# Altium PCB RTM_SFP.PcbDoc (part 12 of 17) (continued)
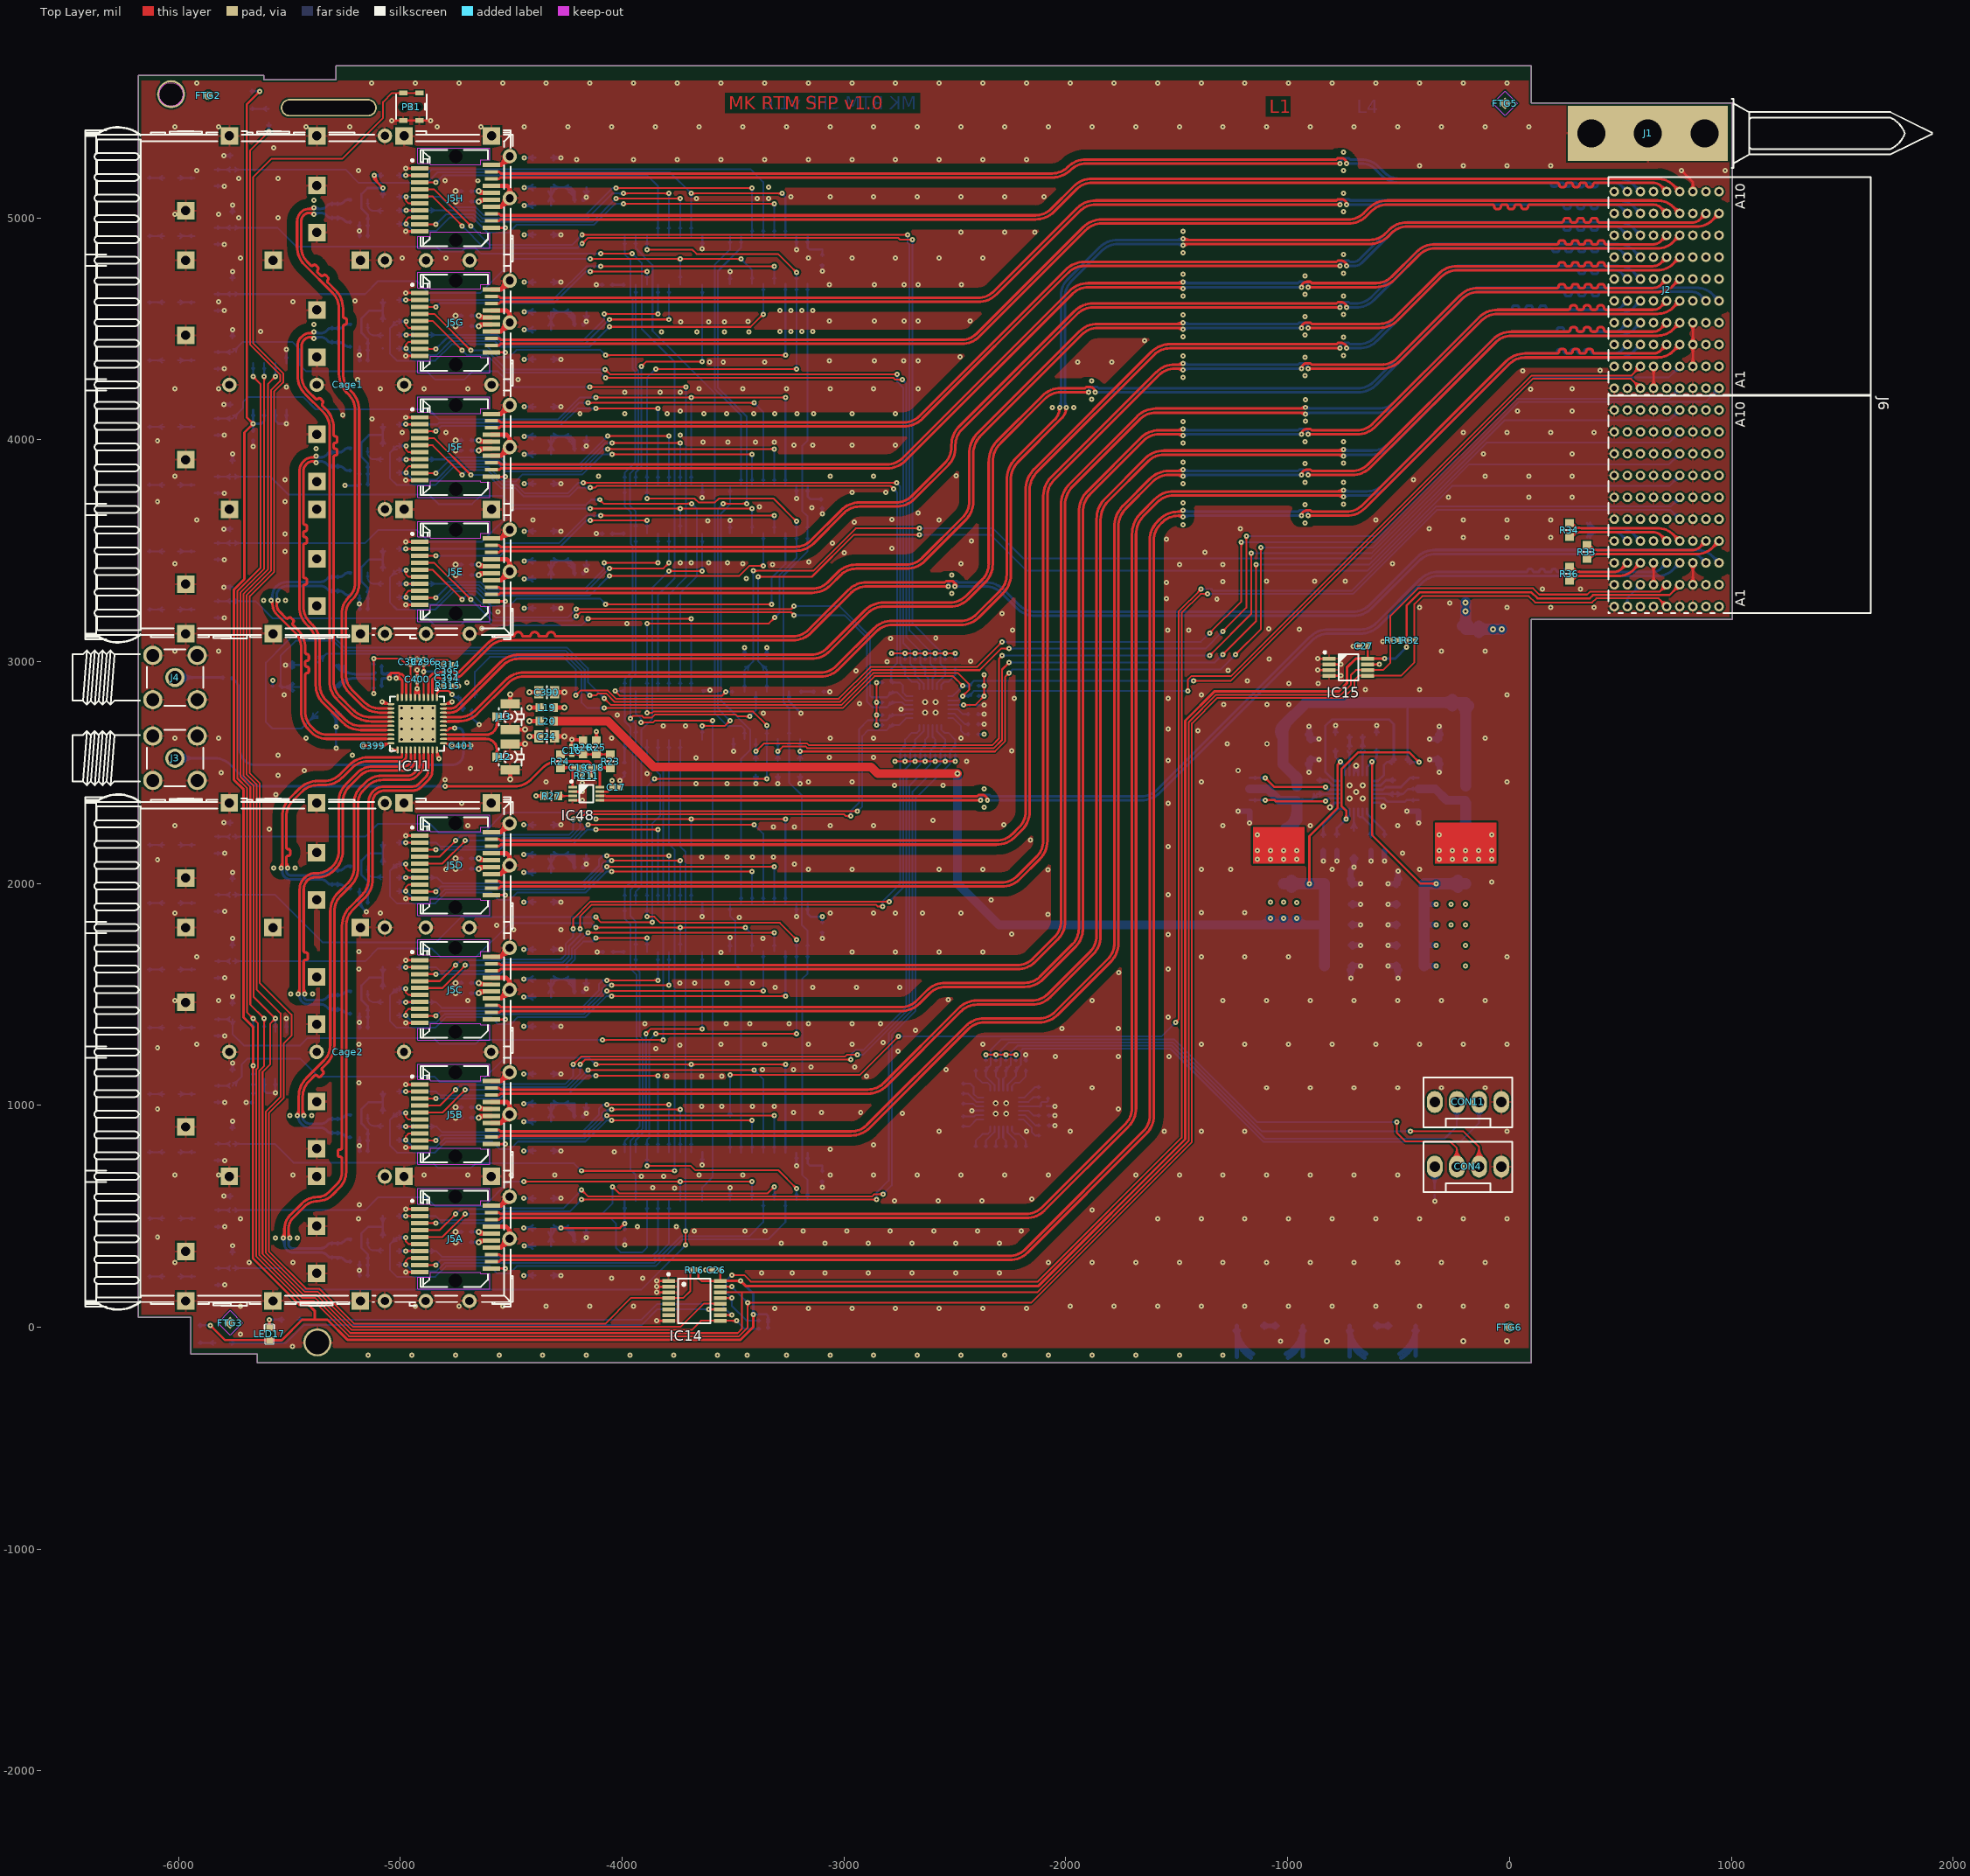
[diagram p0: Top Layer view]
## Nets (pads, with @x,y where several pads share a name; then routed paths per layer and width w, separated by ;. In a path a pad name is that pad's centre, name@x,y a point inside that pad or via, vN(x,y) a via of type N, cw(c..) or ccw(c..) an arc to the next point about the centre after c; other vN are vias at no path point) (continued)
SFP_CLK1.CLOCK_P: IC11.12 IC20H.3 R105H.1 | length 2999.7
  Top Layer w10: -5064.25,2788.13 -5063.41,2788.98 IC11.12@-5042.52,2788.98
  Top Layer w12: -5433.86,5013.52 -5436.32,5011.06 ccw(c-5408.72,4983.46) -5447.75,4983.46 -5447.75,4870.64 ccw(c-5347.75,4870.64) -5418.46,4799.93 -5404.75,4786.22 ccw(c-5399.04,4791.93) -5393.34,4786.22 cw(c-5387.35,4780.24) -5381.37,4786.22 -5372.6,4777.45 cw(c-5378.58,4771.47) -5372.6,4765.48 ccw(c-5366.89,4759.78) -5372.6,4754.07 -5359.26,4740.74 ccw(c-5353.56,4746.44) -5347.85,4740.74 cw(c-5341.87,4734.75) -5335.88,4740.74 -5327.11,4731.97 cw(c-5333.1,4725.98) -5327.11,4720 ccw(c-5321.41,4714.29) -5327.11,4708.58 -5293.16,4674.64 cw(c-5376.46,4591.34) -5258.66,4591.34 -5258.66,4556.1 ccw(c-5250.59,4556.1) -5250.59,4548.03 cw(c-5250.59,4539.56) -5242.13,4539.56 -5242.13,4527.16 cw(c-5250.59,4527.16) -5250.59,4518.7 ccw(c-5250.59,4510.63) -5258.66,4510.63 -5258.66,4296.4 ccw(c-5158.66,4296.4) -5229.37,4225.69 -5219.54,4215.86 cw(c-5300.66,4134.74) -5185.94,4134.74 -5185.94,3350.8 cw(c-5283.17,3350.8) -5214.42,3282.04 -5221.03,3275.42 ccw(c-5159.39,3213.78) -5246.57,3213.78 -5246.57,2942.52 ccw(c-5146.57,2942.52) -5217.28,2871.81 -5162.9,2817.42 ccw(c-5092.18,2888.13) -5092.18,2788.13 -5064.25,2788.13 ; -5433.84,5013.54 cw(c-5412.19,4991.85) -5412.19,5022.5 ; v1(-5390.16,5016.69) -5395.97,5022.5 -5412.19,5022.5 ; -5412.19,5022.5 cw(c-5412.19,5001.61) v1@-5394.95,5013.4 ; -5412.19,5022.5 cw(c-5412.19,5001.61) v1@-5394.95,5013.4 ; -5412.19,5022.5 cw(c-5412.19,5001.61) v1@-5394.95,5013.4
  Bottom Layer w12: v1(-5390.16,5016.69) -5384.35,5022.5 -5358.96,5022.5 cw(c-5358.96,4985.86) -5333.06,5011.78 -5325.73,5004.45 ccw(c-5315,5015.18) -5315,5000 ; R105H.1@-5308.02,4995.39 ccw(c-5315,4992.41) -5315,5000 ; R105H.1@-5308.02,5004.61 cw(c-5315,5007.59) -5315,5000 ; R105H.1@-5284.18,4992.66 cw(c-5272.48,4983.25) -5268.59,4997.75 ; R105H.1@-5283.16,5005.86 ccw(c-5271.16,5012.79) -5274.75,4999.4 ; IC20H.3@-5226.16,4976.65 ccw(c-5233.86,4970.41) -5233.86,4980.32 ; IC20H.3@-5226.16,4983.98 cw(c-5233.86,4990.23) -5233.86,4980.32 ; IC20H.3@-5221.65,4980.32 -5233.86,4980.32 ; v1@-5386.29,5021.02 ccw(c-5379.08,5029.09) -5373.67,5019.72 ; v1@-5386.29,5021.02 ccw(c-5379.08,5029.09) -5373.67,5019.72 ; v1@-5386.29,5021.02 ccw(c-5379.08,5029.09) -5373.67,5019.72 ; v1@-5386.05,5012.58 cw(c-5362.1,4988.63) -5362.1,5022.5 ; v1@-5386.05,5012.58 cw(c-5362.1,4988.63) -5362.1,5022.5 ; v1@-5386.05,5012.58 cw(c-5362.1,4988.63) -5362.1,5022.5 ; -5315,5000 -5276.98,5000 cw(c-5276.98,4969.08) -5255.12,4990.94 -5252,4987.83 ccw(c-5233.86,5005.98) -5233.86,4980.32
SFP_CLK2.CLOCK_N: IC11.15 IC20G.4 R105G.2 | length 2452.4
  Top Layer w10: -5064.2,2730.71 -5063.41,2729.92 IC11.15@-5042.52,2729.92
  Top Layer w12: v1(-5390.16,4485.68) -5395.97,4479.87 -5409.84,4479.87 ; -5285.15,2828.59 cw(c-5202.7,2911.03) -5319.29,2911.03 -5319.29,4054.25 ccw(c-5419.29,4054.25) -5348.58,4124.96 -5429.3,4205.68 cw(c-5346.32,4288.65) -5463.67,4288.65 -5463.67,4425.97 cw(c-5416.17,4425.97) -5449.76,4459.56 -5443.31,4466 cw(c-5409.84,4432.53) -5409.84,4479.87 ; -5285.14,2828.58 -5226.26,2769.7 ccw(c-5132.13,2863.83) -5132.13,2730.71 -5064.2,2730.71 ; -5409.84,4479.87 ccw(c-5409.84,4496.54) v1@-5395.25,4488.48 ; -5409.84,4479.87 ccw(c-5409.84,4496.54) v1@-5395.25,4488.48 ; -5409.84,4479.87 ccw(c-5409.84,4496.54) v1@-5395.25,4488.48
  Bottom Layer w12: v1(-5390.16,4485.68) -5384.35,4479.87 -5359.18,4479.87 ccw(c-5359.18,4517.06) -5332.89,4490.76 -5325.71,4497.93 cw(c-5315,4487.22) -5315,4502.36 ; R105G.2@-5308.02,4497.75 ccw(c-5315,4494.77) -5315,4502.36 ; R105G.2@-5308.02,4506.97 cw(c-5315,4509.96) -5315,4502.36 ; R105G.2@-5282.66,4497.47 cw(c-5275.03,4493.96) -5275.03,4502.36 ; R105G.2@-5282.66,4507.25 ccw(c-5275.03,4510.76) -5275.03,4502.36 ; -5252.28,4514.25 -5256.5,4510.04 cw(c-5275.03,4528.57) -5275.03,4502.36 ; -5252.26,4514.27 cw(c-5233.46,4495.44) -5233.46,4522.05 IC20G.4@-5221.65,4522.05 ; -5241.66,4519.85 cw(c-5236.24,4499.64) IC20G.4@-5224.82,4517.18 ; v1@-5386.29,4481.34 cw(c-5379.08,4473.27) -5373.67,4482.64 ; v1@-5386.29,4481.34 cw(c-5379.08,4473.27) -5373.67,4482.64 ; v1@-5386.29,4481.34 cw(c-5379.08,4473.27) -5373.67,4482.64 ; v1@-5386.05,4489.79 ccw(c-5362.1,4513.73) -5362.1,4479.87 ; v1@-5386.05,4489.79 ccw(c-5362.1,4513.73) -5362.1,4479.87 ; v1@-5386.05,4489.79 ccw(c-5362.1,4513.73) -5362.1,4479.87 ; -5315,4502.36 -5275.03,4502.36
SFP_CLK2.CLOCK_P: IC11.14 IC20G.3 R105G.1 | length 2452.9
  Top Layer w10: -5064.2,2748.82 -5063.41,2749.61 IC11.14@-5042.52,2749.61
  Top Layer w12: v1(-5390.16,4456.06) -5395.97,4461.87 -5407.44,4461.87 ; -5064.2,2748.82 -5131.04,2748.82 cw(c-5131.04,2866.82) -5214.48,2783.37 -5272,2840.9 cw(c-5201.29,2911.61) -5301.29,2911.61 -5301.29,3921.65 cw(c-5293.22,3921.65) -5293.22,3929.72 ccw(c-5293.22,3938.19) -5284.76,3938.19 -5284.76,3950.59 ccw(c-5293.22,3950.59) -5293.22,3959.05 cw(c-5293.22,3967.12) -5301.29,3967.12 -5301.29,3977.84 cw(c-5293.22,3977.84) -5293.22,3985.91 ccw(c-5293.22,3994.38) -5284.76,3994.38 -5284.76,4006.78 ccw(c-5293.22,4006.78) -5293.22,4015.24 cw(c-5293.22,4023.31) -5301.29,4023.31 -5301.29,4054.76 ccw(c-5418.07,4054.76) -5335.49,4137.33 -5350.85,4152.69 cw(c-5345.15,4158.4) -5350.85,4164.1 ccw(c-5356.84,4170.09) -5350.85,4176.07 -5359.62,4184.84 ccw(c-5365.61,4178.86) -5371.59,4184.84 cw(c-5377.3,4190.55) -5383.01,4184.84 -5416.38,4218.21 cw(c-5345.67,4288.92) -5445.67,4288.92 -5445.67,4421.45 cw(c-5405.25,4421.45) -5433.84,4450.02 -5432.28,4451.57 cw(c-5407.44,4426.73) -5407.44,4461.87 ; -5407.44,4461.87 cw(c-5407.44,4449.02) v1@-5395.54,4453.86 ; -5407.44,4461.87 cw(c-5407.44,4449.02) v1@-5395.54,4453.86 ; -5407.44,4461.87 cw(c-5407.44,4449.02) v1@-5395.54,4453.86
  Bottom Layer w12: v1(-5390.16,4456.06) -5384.35,4461.87 -5358.96,4461.87 cw(c-5358.96,4425.23) -5333.06,4451.15 -5325.73,4443.82 ccw(c-5315,4454.55) -5315,4439.37 ; R105G.1@-5308.02,4434.76 ccw(c-5315,4431.78) -5315,4439.37 ; R105G.1@-5308.02,4443.98 cw(c-5315,4446.96) -5315,4439.37 ; R105G.1@-5284.18,4432.03 cw(c-5272.48,4422.62) -5268.59,4437.12 ; R105G.1@-5283.16,4445.23 ccw(c-5271.16,4452.16) -5274.75,4438.77 ; IC20G.3@-5226.16,4416.02 ccw(c-5233.86,4409.78) -5233.86,4419.69 ; IC20G.3@-5226.16,4423.35 cw(c-5233.86,4429.6) -5233.86,4419.69 ; IC20G.3@-5221.65,4419.69 -5233.86,4419.69 ; v1@-5386.29,4460.39 ccw(c-5379.08,4468.46) -5373.67,4459.09 ; v1@-5386.29,4460.39 ccw(c-5379.08,4468.46) -5373.67,4459.09 ; v1@-5386.29,4460.39 ccw(c-5379.08,4468.46) -5373.67,4459.09 ; v1@-5386.05,4451.95 cw(c-5362.1,4428) -5362.1,4461.87 ; v1@-5386.05,4451.95 cw(c-5362.1,4428) -5362.1,4461.87 ; v1@-5386.05,4451.95 cw(c-5362.1,4428) -5362.1,4461.87 ; -5315,4439.37 -5276.98,4439.37 cw(c-5276.98,4408.45) -5255.12,4430.31 -5252,4427.2 ccw(c-5233.86,4445.35) -5233.86,4419.69
SFP_CLK3.CLOCK_N: IC11.17 IC20F.4 R105F.2 | length 1868.9
  Top Layer w10: -5064.2,2691.34 -5063.41,2690.55 IC11.17@-5042.52,2690.55
  Top Layer w12: v1(-5379.53,3926.62) -5385.34,3920.81 -5396.46,3920.81 ; -5064.2,2691.34 -5178.02,2691.34 cw(c-5178.02,2808.7) -5261.01,2725.71 -5347.98,2812.68 cw(c-5267.33,2893.33) -5381.39,2893.33 -5381.39,3083.67 ccw(c-5481.39,3083.67) -5410.68,3154.38 -5421.42,3165.13 cw(c-5338.45,3248.1) -5455.8,3248.1 -5455.8,3857.24 cw(c-5392.54,3857.24) -5437.29,3901.95 -5433.94,3905.3 cw(c-5396.46,3867.78) -5396.46,3920.81 ; -5396.46,3920.81 ccw(c-5396.46,3933.14) v1@-5384.95,3928.71 ; -5396.46,3920.81 ccw(c-5396.46,3933.14) v1@-5384.95,3928.71 ; -5396.46,3920.81 ccw(c-5396.46,3933.14) v1@-5384.95,3928.71
  Bottom Layer w12: v1(-5379.53,3926.62) -5373.72,3920.81 -5359.18,3920.81 ; -5332.89,3931.7 cw(c-5359.18,3958) -5359.18,3920.81 ; -5332.87,3931.72 -5325.71,3938.88 cw(c-5315,3928.16) -5315,3943.31 ; R105F.2@-5308.02,3938.7 ccw(c-5315,3935.71) -5315,3943.31 ; R105F.2@-5308.02,3947.92 cw(c-5315,3950.9) -5315,3943.31 ; R105F.2@-5282.66,3938.42 cw(c-5275.03,3934.91) -5275.03,3943.31 ; R105F.2@-5282.66,3948.2 ccw(c-5275.03,3951.7) -5275.03,3943.31 ; -5252.28,3955.2 -5256.5,3950.98 cw(c-5275.03,3969.52) -5275.03,3943.31 ; -5252.26,3955.22 cw(c-5233.46,3936.38) -5233.46,3962.99 IC20F.4@-5221.65,3962.99 ; -5241.66,3960.8 cw(c-5236.24,3940.59) IC20F.4@-5224.82,3958.12 ; v1@-5374.52,3929.57 ccw(c-5359.18,3938.62) -5359.18,3920.81 ; v1@-5374.52,3929.57 ccw(c-5359.18,3938.62) -5359.18,3920.81 ; v1@-5374.52,3929.57 ccw(c-5359.18,3938.62) -5359.18,3920.81 ; -5315,3943.31 -5275.03,3943.31
SFP_CLK3.CLOCK_P: IC11.16 IC20F.3 R105F.1 | length 1878.5
  Top Layer w10: -5064.2,2709.45 -5063.41,2710.24 IC11.16@-5042.52,2710.24
  Top Layer w12: v1(-5379.53,3897) -5385.34,3902.81 -5396.46,3902.81 ; -5064.2,2709.45 -5177.87,2709.45 cw(c-5177.87,2809.45) -5248.58,2738.74 -5334.1,2824.25 cw(c-5263.39,2894.96) -5363.39,2894.96 -5363.39,3084.4 ccw(c-5479.61,3084.4) -5397.43,3166.58 -5408.51,3177.66 cw(c-5337.8,3248.37) -5437.8,3248.37 -5437.8,3338.98 cw(c-5429.72,3338.97) -5429.72,3347.04 ccw(c-5429.72,3355.51) -5421.26,3355.51 -5421.26,3367.91 ccw(c-5429.72,3367.91) -5429.72,3376.38 cw(c-5429.72,3384.45) -5437.8,3384.45 -5437.8,3523.63 cw(c-5429.72,3523.63) -5429.72,3531.7 ccw(c-5429.72,3540.16) -5421.26,3540.16 -5421.26,3552.56 ccw(c-5429.72,3552.56) -5429.72,3561.03 cw(c-5429.72,3569.1) -5437.8,3569.1 -5437.8,3579.82 cw(c-5429.72,3579.82) -5429.72,3587.89 ccw(c-5429.72,3596.35) -5421.26,3596.35 -5421.26,3608.75 ccw(c-5429.72,3608.75) -5429.72,3617.22 cw(c-5429.72,3625.29) -5437.79,3625.29 -5437.8,3857.01 cw(c-5392,3857.01) -5424.4,3889.38 -5421.22,3892.56 cw(c-5396.46,3867.78) -5396.46,3902.81 ; -5396.46,3902.81 cw(c-5396.46,3890.48) v1@-5384.95,3894.91 ; -5396.46,3902.81 cw(c-5396.46,3890.48) v1@-5384.95,3894.91 ; -5396.46,3902.81 cw(c-5396.46,3890.48) v1@-5384.95,3894.91
  Bottom Layer w12: v1(-5379.53,3897) -5373.72,3902.81 -5358.96,3902.81 ; R105F.1@-5308.02,3875.71 ccw(c-5315,3872.73) -5315,3880.32 ; R105F.1@-5308.02,3884.92 cw(c-5315,3887.91) -5315,3880.32 ; R105F.1@-5284.18,3872.97 cw(c-5272.48,3863.57) -5268.59,3878.07 ; R105F.1@-5283.16,3886.17 ccw(c-5271.16,3893.1) -5274.75,3879.72 ; IC20F.3@-5226.16,3856.97 ccw(c-5233.86,3850.72) -5233.86,3860.63 ; IC20F.3@-5226.16,3864.29 cw(c-5233.86,3870.54) -5233.86,3860.63 ; IC20F.3@-5221.65,3860.63 -5233.86,3860.63 ; v1@-5374.55,3894 cw(c-5358.96,3884.61) -5358.96,3902.81 ; v1@-5374.55,3894 cw(c-5358.96,3884.61) -5358.96,3902.81 ; v1@-5374.55,3894 cw(c-5358.96,3884.61) -5358.96,3902.81 ; -5358.96,3902.81 cw(c-5358.96,3866.17) -5333.06,3892.09 -5325.73,3884.76 ccw(c-5315,3895.5) -5315,3880.32 ; -5315,3880.32 -5276.98,3880.32 cw(c-5276.98,3849.4) -5255.12,3871.26 -5252,3868.14 ccw(c-5233.86,3886.29) -5233.86,3860.63
SFP_CLK4.CLOCK_N: IC11.19 IC20E.4 R105E.2 | length 1660.3
  Top Layer w10: -5064.2,2651.97 -5063.41,2651.18 IC11.19@-5042.52,2651.18
  Top Layer w11.9: v1@-5584.9,3271.69 cw(c-5593.08,3257) -5576.27,3257
  Top Layer w12: v1(-5582.08,3276.77) -5576.27,3270.96 -5576.27,3257.87 ccw(c-5512.32,3257.87) -5557.54,3212.66 -5476.42,3131.54 cw(c-5547.13,3060.83) -5447.13,3060.83 -5447.13,2775.17 ccw(c-5330.36,2775.17) -5412.93,2692.59 -5401.6,2681.26 ccw(c-5330.88,2751.97) -5335.58,2652.08 ; -5335.58,2651.97 -5064.2,2651.97 ; v1@-5584.9,3271.69 cw(c-5593.08,3257) -5576.27,3257 ccw(c-5593.08,3257) v1@-5584.9,3271.69
  Bottom Layer w12: v1(-5582.08,3276.77) -5576.27,3282.58 -5576.27,3301.57 ; R105E.2@-5308.02,3377.28 ccw(c-5315,3374.29) -5315,3381.89 ; R105E.2@-5308.02,3386.5 cw(c-5315,3389.49) -5315,3381.89 ; R105E.2@-5282.66,3377 cw(c-5275.03,3373.49) -5275.03,3381.89 ; R105E.2@-5282.66,3386.78 ccw(c-5275.03,3390.29) -5275.03,3381.89 ; -5241.66,3399.38 cw(c-5236.24,3379.17) IC20E.4@-5224.82,3396.71 ; IC20E.4@-5221.65,3401.58 -5233.46,3401.58 ccw(c-5233.46,3374.96) -5252.26,3393.8 -5256.5,3389.57 cw(c-5275.03,3408.1) -5275.03,3381.89 ; v1@-5585.8,3281.24 ccw(c-5602.73,3301.57) -5576.27,3301.57 ; v1@-5585.8,3281.24 ccw(c-5602.73,3301.57) -5576.27,3301.57 ; v1@-5585.8,3281.24 ccw(c-5602.73,3301.57) -5576.27,3301.57 ; -5579.05,3290.8 ccw(c-5572.89,3286.45) v1@-5578.08,3280.99 ; -5579.05,3290.8 ccw(c-5572.89,3286.45) v1@-5578.08,3280.99 ; -5579.05,3290.8 ccw(c-5572.89,3286.45) v1@-5578.08,3280.99 ; -5576.27,3301.57 cw(c-5528.48,3301.57) -5562.27,3335.37 -5560,3337.64 cw(c-5507.48,3285.13) -5507.48,3359.39 -5359.18,3359.39 ccw(c-5359.18,3396.58) -5332.89,3370.29 -5325.71,3377.46 cw(c-5315,3366.74) -5315,3381.89 ; -5315,3381.89 R105E.2@-5295.28,3381.89 -5275.03,3381.89
SFP_CLK4.CLOCK_P: IC11.18 IC20E.3 R105E.1 | length 1627.9
  Top Layer w10: -5064.2,2670.08 -5063.41,2670.87 IC11.18@-5042.52,2670.87
  Top Layer w11.9: -5558.27,3257 cw(c-5541.45,3257) v1@-5549.63,3271.69
  Top Layer w12: v1(-5552.46,3276.77) -5558.27,3270.96 -5558.27,3257.87 ccw(c-5512.32,3257.87) -5544.81,3225.38 -5515.81,3196.39 ccw(c-5510.1,3202.09) -5504.4,3196.39 cw(c-5498.41,3190.4) -5492.43,3196.39 -5483.66,3187.62 cw(c-5489.64,3181.63) -5483.66,3175.65 ccw(c-5477.95,3169.94) -5483.66,3164.23 -5463.49,3144.06 cw(c-5546.42,3061.13) -5429.13,3061.13 -5429.13,3041.45 ccw(c-5421.06,3041.45) -5421.06,3033.38 cw(c-5421.06,3024.91) -5412.6,3024.91 -5412.6,3012.51 cw(c-5421.06,3012.51) -5421.06,3004.04 ccw(c-5421.06,2995.97) -5429.13,2995.98 -5429.13,2985.26 ccw(c-5421.06,2985.26) -5421.06,2977.19 cw(c-5421.06,2968.72) -5412.6,2968.72 -5412.6,2956.32 cw(c-5421.06,2956.32) -5421.06,2947.86 ccw(c-5421.06,2939.78) -5429.13,2939.79 -5429.13,2775.67 ccw(c-5329.13,2775.67) -5399.84,2704.96 -5389.02,2694.14 ccw(c-5330.93,2752.23) -5330.93,2670.08 -5064.2,2670.08 ; -5558.27,3257 cw(c-5541.45,3257) -5549.63,3271.69 ccw(c-5541.45,3257) -5558.27,3257
  Bottom Layer w12: v1(-5552.46,3276.77) -5558.27,3282.58 -5558.27,3298.82 ; -5547.61,3324.57 ccw(c-5521.82,3298.82) -5558.27,3298.82 ; -5547.53,3324.65 cw(c-5507.02,3284.02) -5507.02,3341.39 -5358.96,3341.39 cw(c-5358.96,3304.75) -5333.06,3330.68 -5325.73,3323.34 ccw(c-5315,3334.08) -5315,3318.9 ; R105E.1@-5308.02,3314.29 ccw(c-5315,3311.31) -5315,3318.9 ; R105E.1@-5308.02,3323.5 cw(c-5315,3326.49) -5315,3318.9 ; R105E.1@-5284.18,3311.56 cw(c-5272.48,3302.15) -5268.59,3316.65 ; R105E.1@-5283.16,3324.76 ccw(c-5271.16,3331.69) -5274.75,3318.3 ; IC20E.3@-5226.16,3295.55 ccw(c-5233.86,3289.3) -5233.86,3299.21 ; IC20E.3@-5226.16,3302.88 cw(c-5233.86,3309.12) -5233.86,3299.21 ; IC20E.3@-5221.65,3299.21 -5233.86,3299.21 ; -5558.27,3298.82 ccw(c-5537.36,3298.82) v1@-5549.17,3281.57 ; -5558.27,3298.82 ccw(c-5537.36,3298.82) v1@-5549.17,3281.57 ; -5558.27,3298.82 ccw(c-5537.36,3298.82) v1@-5549.17,3281.57 ; -5315,3318.9 R105E.1@-5295.28,3318.9 -5276.98,3318.9 cw(c-5276.98,3287.98) -5255.12,3309.84 -5252.01,3306.73 ccw(c-5233.86,3324.88) -5233.86,3299.21
SFP_CLK5.CLOCK_N: IC11.23 IC20D.4 R105D.2 | length 1504.3
  Top Layer w10: -4974.46,2580.24 -4973.62,2581.08 IC11.23@-4973.62,2601.97
  Top Layer w12: v1(-5507.97,2070.08) -5513.78,2075.89 -5513.78,2116.93 cw(c-5505.71,2116.93) -5505.71,2125 ; -5505.71,2154.33 cw(c-5505.71,2162.4) -5513.78,2162.4 -5513.78,2302.39 cw(c-5413.78,2302.39) -5484.49,2373.1 -5443.46,2414.13 cw(c-5372.75,2343.42) -5372.75,2443.42 -5344.03,2443.42 ccw(c-5344.03,2561.38) -5260.62,2477.97 -5217.76,2520.82 cw(c-5147.05,2450.11) -5147.05,2550.11 -4996.39,2550.11 ccw(c-4996.39,2572.09) -4974.41,2572.09 -4974.41,2580.18 ; -5504.92,2125 ccw(c-5504.92,2133.46) -5496.46,2133.46 -5496.46,2145.86 ccw(c-5504.92,2145.86) -5504.92,2154.33 ; -4974.46,2572.83 -4974.46,2580.24 ; -5513.78,2098.14 ccw(c-5479.91,2098.14) v1@-5503.86,2074.19 ; -5513.78,2098.14 ccw(c-5479.91,2098.14) v1@-5503.86,2074.19 ; -5513.78,2098.14 ccw(c-5479.91,2098.14) v1@-5503.86,2074.19 ; v1@-5512.3,2073.95 ccw(c-5520.37,2081.15) -5511,2086.56 ; v1@-5512.3,2073.95 ccw(c-5520.37,2081.15) -5511,2086.56 ; v1@-5512.3,2073.95 ccw(c-5520.37,2081.15) -5511,2086.56
  Bottom Layer w11.9: -5513.78,2053.29 cw(c-5501.66,2053.29) v1@-5505.92,2064.64
  Bottom Layer w12: v1(-5507.97,2070.08) -5513.78,2064.27 -5513.78,2054.33 ccw(c-5496.01,2054.33) -5496.01,2036.56 -5359.18,2036.56 ccw(c-5359.18,2073.75) -5332.89,2047.45 ; -5332.87,2047.46 -5325.71,2054.62 cw(c-5315,2043.91) -5315,2059.06 ; R105D.2@-5308.15,2054.38 ccw(c-5315,2051.7) -5315,2059.06 ; R105D.2@-5307.87,2063.6 cw(c-5315,2066.92) -5315,2059.06 ; R105D.2@-5282.82,2063.88 ccw(c-5275.03,2067.75) -5275.03,2059.06 ; R105D.2@-5282.52,2054.09 cw(c-5275.03,2050.92) -5275.03,2059.06 ; -5252.28,2070.95 -5256.5,2066.73 cw(c-5275.03,2085.26) -5275.03,2059.06 ; -5252.26,2070.96 cw(c-5233.46,2052.13) -5233.46,2078.74 IC20D.4@-5221.65,2078.74 ; -5241.66,2076.55 cw(c-5236.24,2056.33) IC20D.4@-5224.82,2073.87 ; -5315,2059.06 -5275.03,2059.06 ; -5513.78,2053.29 cw(c-5501.66,2053.29) -5505.92,2064.64 ccw(c-5501.66,2053.29) -5513.78,2053.29
SFP_CLK5.CLOCK_P: IC11.22 IC20D.3 R105D.1 | length 1512.8
  Top Layer w10: -4993.31,2571.65 IC11.22@-4993.31,2601.97
  Top Layer w12: v1(-5537.59,2070.08) -5531.78,2075.89 -5531.78,2303.77 cw(c-5417.1,2303.77) -5498.19,2384.85 -5455.72,2427.32 cw(c-5373.41,2345.01) -5373.41,2461.42 -5344.04,2461.42 ccw(c-5344.04,2561.42) -5273.33,2490.71 -5230.1,2533.94 cw(c-5147.6,2451.44) -5147.6,2568.11 -4996.85,2568.11 ccw(c-4996.85,2571.65) -4993.31,2571.65 ; v1@-5541.7,2074.19 ccw(c-5565.65,2098.14) -5531.78,2098.14 ; v1@-5541.7,2074.19 ccw(c-5565.65,2098.14) -5531.78,2098.14 ; v1@-5541.7,2074.19 ccw(c-5565.65,2098.14) -5531.78,2098.14 ; -5534.55,2086.56 ccw(c-5525.18,2081.15) v1@-5533.26,2073.95 ; -5534.55,2086.56 ccw(c-5525.18,2081.15) v1@-5533.26,2073.95 ; -5534.55,2086.56 ccw(c-5525.18,2081.15) v1@-5533.26,2073.95
  Bottom Layer w11.9: v1@-5539.37,2064.55 cw(c-5542.7,2054.14) -5531.78,2054.14
  Bottom Layer w12: v1(-5537.59,2070.08) -5531.78,2064.27 -5531.78,2053.9 ccw(c-5496.44,2053.9) -5496.44,2018.56 -5358.96,2018.56 cw(c-5358.96,1981.92) -5333.06,2007.84 -5325.73,2000.51 ccw(c-5315,2011.24) -5315,1996.06 ; R105D.1@-5308.15,1991.39 ccw(c-5315,1988.71) -5315,1996.06 ; R105D.1@-5307.87,2000.61 cw(c-5315,2003.92) -5315,1996.06 ; R105D.1@-5283.81,1988.8 cw(c-5272.76,1980.81) -5269.23,1993.99 ; R105D.1@-5283.16,2001.53 ccw(c-5272.28,2007.81) -5275.53,1995.68 ; IC20D.3@-5226.16,1972.71 ccw(c-5233.86,1966.47) -5233.86,1976.38 ; IC20D.3@-5226.16,1980.04 cw(c-5233.86,1986.29) -5233.86,1976.38 ; IC20D.3@-5221.65,1976.38 -5233.86,1976.38 ; -5315,1996.06 -5276.98,1996.06 cw(c-5276.98,1965.15) -5255.12,1987.01 -5252.01,1983.89 ccw(c-5233.86,2002.04) -5233.86,1976.38 ; v1@-5539.76,2064.69 cw(c-5544.5,2052.88) -5531.78,2052.88 ccw(c-5544.5,2052.88) v1@-5539.76,2064.69
SFP_CLK6.CLOCK_N: IC11.25 IC20C.4 R105C.2 | length 1891.8
  Top Layer w10: -4935.09,2580.24 -4934.25,2581.08 IC11.25@-4934.25,2601.97
  Top Layer w12: v1(-5430.41,1502.36) -5436.22,1508.17 -5436.22,1647.24 cw(c-5428.15,1647.24) -5428.15,1655.31 -5425.79,1655.31 ccw(c-5425.79,1664.36) -5416.75,1663.78 -5416.75,1680.12 ccw(c-5425.79,1679.53) -5425.79,1688.58 -5428.15,1688.58 cw(c-5428.15,1696.65) -5436.22,1696.65 -5436.22,1973.18 cw(c-5379.76,1973.18) -5419.68,2013.1 ; -5419.65,2013.13 cw(c-5384.52,1977.93) -5384.52,2027.67 -5371.76,2027.67 ccw(c-5371.76,2127.67) -5301.05,2056.96 -5293.59,2064.42 ccw(c-5375.06,2145.89) -5259.84,2145.89 -5259.84,2366.06 cw(c-5159.84,2366.06) -5230.55,2436.77 -5180.91,2486.42 cw(c-5125.98,2431.49) -5125.98,2509.17 -4982.92,2509.17 ccw(c-4982.92,2556.99) -4935.09,2556.99 -4935.09,2580.24 ; -5436.22,1530.42 ccw(c-5402.35,1530.42) v1@-5426.3,1506.47 ; -5436.22,1530.42 ccw(c-5402.35,1530.42) v1@-5426.3,1506.47 ; -5436.22,1530.42 ccw(c-5402.35,1530.42) v1@-5426.3,1506.47 ; v1@-5434.74,1506.23 ccw(c-5442.82,1513.44) -5433.45,1518.85 ; v1@-5434.74,1506.23 ccw(c-5442.82,1513.44) -5433.45,1518.85 ; v1@-5434.74,1506.23 ccw(c-5442.82,1513.44) -5433.45,1518.85
  Bottom Layer w12: v1(-5430.41,1502.36) -5436.22,1496.55 -5436.22,1493.39 ccw(c-5416.06,1493.39) -5430.31,1479.13 ccw(c-5416.88,1492.57) -5416.88,1473.57 -5359.18,1473.57 ccw(c-5359.18,1510.76) -5332.89,1484.46 -5325.71,1491.63 cw(c-5315,1480.92) -5315,1496.06 ; R105C.2@-5308.15,1500.73 cw(c-5315,1503.42) -5315,1496.06 ; R105C.2@-5307.87,1491.51 ccw(c-5315,1488.2) -5315,1496.06 ; R105C.2@-5282.82,1491.24 cw(c-5275.03,1487.37) -5275.03,1496.06 ; R105C.2@-5282.52,1501.02 ccw(c-5275.03,1504.19) -5275.03,1496.06 ; -5252.28,1507.95 -5256.5,1503.74 cw(c-5275.03,1522.27) -5275.03,1496.06 ; -5252.26,1507.97 cw(c-5233.46,1489.14) -5233.46,1515.75 IC20C.4@-5221.65,1515.75 ; -5241.66,1513.55 cw(c-5236.24,1493.34) IC20C.4@-5224.82,1510.88 ; -5315,1496.06 -5275.03,1496.06
SFP_CLK6.CLOCK_P: IC11.24 IC20C.3 R105C.1 | length 1984.2
  Top Layer w10: IC11.24@-4953.94,2601.97 -4953.94,2581.08 -4953.09,2580.24
  Top Layer w12: v1(-5460.03,1502.36) -5454.22,1508.17 -5454.22,1973.26 cw(c-5379.95,1973.26) -5432.5,2025.74 ; -5432.32,2025.92 cw(c-5384.65,1978.24) -5384.65,2045.67 -5378.44,2045.67 ccw(c-5378.44,2143.79) -5309.09,2074.37 ; -5307.13,2076.33 ccw(c-5377.84,2147.04) -5277.84,2147.04 -5277.84,2367.56 cw(c-5163.48,2367.56) -5244.35,2448.43 -5193.63,2499.14 cw(c-5125.98,2431.49) -5125.98,2527.17 -4983.55,2527.17 ccw(c-4983.55,2557.62) -4953.09,2557.62 -4953.09,2580.24 ; v1@-5464.14,1506.47 ccw(c-5488.09,1530.42) -5454.22,1530.42 ; v1@-5464.14,1506.47 ccw(c-5488.09,1530.42) -5454.22,1530.42 ; v1@-5464.14,1506.47 ccw(c-5488.09,1530.42) -5454.22,1530.42 ; -5457,1518.85 ccw(c-5447.62,1513.44) v1@-5455.7,1506.23 ; -5457,1518.85 ccw(c-5447.62,1513.44) v1@-5455.7,1506.23 ; -5457,1518.85 ccw(c-5447.62,1513.44) v1@-5455.7,1506.23
  Bottom Layer w12: v1(-5460.03,1502.36) -5454.22,1496.55 -5454.22,1493.39 ccw(c-5416.06,1493.39) -5443.06,1466.42 ; -5455.29,1490.52 ccw(c-5475.57,1475.45) v1@-5462.94,1497.33 ; v1@-5455.06,1499.36 ccw(c-5447.18,1494.59) -5453.69,1488.08 ; -5443.02,1466.38 ccw(c-5416.87,1492.57) -5416.87,1455.57 -5358.96,1455.57 cw(c-5358.96,1418.93) -5333.06,1444.85 -5325.73,1437.52 ccw(c-5315,1448.25) -5315,1433.07 ; R105C.1@-5308.15,1437.74 cw(c-5315,1440.42) -5315,1433.07 ; R105C.1@-5307.87,1428.52 ccw(c-5315,1425.21) -5315,1433.07 ; R105C.1@-5284.55,1425.68 cw(c-5272.22,1414.72) -5267.96,1430.65 ; R105C.1@-5283.16,1439.32 ccw(c-5270.03,1446.9) -5273.96,1432.26 ; IC20C.3@-5226.16,1409.72 ccw(c-5233.86,1403.48) -5233.86,1413.39 ; IC20C.3@-5226.16,1417.05 cw(c-5233.86,1423.3) -5233.86,1413.39 ; IC20C.3@-5221.65,1413.39 -5233.86,1413.39 ; v1@-5462.94,1497.33 cw(c-5475.57,1475.45) -5451.16,1481.99 ccw(c-5475.57,1475.45) v1@-5462.94,1497.33 ; -5315,1433.07 -5276.98,1433.07 cw(c-5276.98,1402.15) -5255.12,1424.02 -5252.01,1420.9 ccw(c-5233.86,1439.05) -5233.86,1413.39 ; v1@-5455.51,1498.71 ccw(c-5450.62,1494.77) -5454.8,1490.08 cw(c-5450.62,1494.77) v1@-5455.51,1498.71
SFP_CLK7.CLOCK_N: IC11.27 IC20B.4 R105B.2 | length 2410.6
  Top Layer w10: -4895.72,2580.24 -4894.88,2581.08 IC11.27@-4894.88,2601.97
  Top Layer w12: v1(-5434.46,953.15) -5440.27,958.96 -5440.27,1039.37 cw(c-5340.67,1039.37) -5411.1,1109.79 -5386.93,1133.96 cw(c-5381.22,1128.25) -5375.51,1133.96 -5372.27,1130.72 ccw(c-5365.87,1137.12) -5359.9,1130.31 -5348.34,1141.87 ccw(c-5355.15,1147.84) -5348.75,1154.24 -5351.99,1157.49 cw(c-5346.28,1163.19) -5351.99,1168.9 -5331.93,1188.97 ccw(c-5413.75,1270.79) -5298.03,1270.79 -5298.03,1873.93 cw(c-5198.03,1873.93) -5268.74,1944.64 -5223.87,1989.51 ccw(c-5304.32,2069.96) -5190.55,2069.96 -5190.55,2362.2 cw(c-5107.86,2362.2) -5166.36,2420.65 -5148.8,2438.21 cw(c-5079.17,2368.54) -5079.17,2467.04 -4966.54,2467.04 ccw(c-4966.54,2523.38) -4926.69,2483.54 -4909.4,2500.83 ccw(c-4942.43,2533.86) -4895.72,2533.86 -4895.72,2580.24 ; -5440.27,981.21 ccw(c-5406.4,981.21) v1@-5430.35,957.26 ; -5440.27,981.21 ccw(c-5406.4,981.21) v1@-5430.35,957.26 ; -5440.27,981.21 ccw(c-5406.4,981.21) v1@-5430.35,957.26 ; v1@-5438.79,957.02 ccw(c-5446.86,964.22) -5437.49,969.63 ; v1@-5438.79,957.02 ccw(c-5446.86,964.22) -5437.49,969.63 ; v1@-5438.79,957.02 ccw(c-5446.86,964.22) -5437.49,969.63
  Bottom Layer w12: v1(-5434.46,953.15) -5440.27,947.34 -5440.16,947.23 -5440.16,941.34 ccw(c-5427.54,941.34) -5436.47,932.42 -5431.15,927.1 ccw(c-5405.49,952.77) -5405.49,916.48 -5359.18,916.48 ccw(c-5359.18,953.67) -5332.89,927.37 -5325.71,934.55 cw(c-5315,923.83) -5315,938.98 ; R105B.2@-5308.15,934.31 ccw(c-5315,931.62) -5315,938.98 ; R105B.2@-5307.87,943.53 cw(c-5315,946.84) -5315,938.98 ; R105B.2@-5282.82,943.8 ccw(c-5275.03,947.67) -5275.03,938.98 ; R105B.2@-5282.52,934.02 cw(c-5275.03,930.85) -5275.03,938.98 ; -5241.66,956.47 cw(c-5236.24,936.26) IC20B.4@-5224.82,953.79 ; IC20B.4@-5221.65,958.66 -5233.46,958.66 ccw(c-5233.46,932.05) -5252.26,950.88 -5256.5,946.65 cw(c-5275.03,965.19) -5275.03,938.98 ; -5315,938.98 -5275.03,938.98
SFP_CLK7.CLOCK_P: IC11.26 IC20B.3 R105B.1 | length 2522.4
  Top Layer w10: IC11.26@-4914.57,2601.97 -4914.57,2581.08 -4913.72,2580.24
  Top Layer w12: v1(-5464.08,953.15) -5458.27,958.96 -5458.27,1040.05 cw(c-5342.33,1040.05) -5424.31,1122.04 -5345.32,1201.03 ccw(c-5416.03,1271.74) -5316.03,1271.74 -5316.03,1874.82 cw(c-5200.17,1874.82) -5282.1,1956.74 -5237.84,2001 ccw(c-5308.55,2071.71) -5208.55,2071.71 -5208.55,2365.5 cw(c-5115.81,2365.5) -5181.39,2431.07 -5156.71,2455.75 cw(c-5086,2385.04) -5086,2485.04 -4966.72,2485.04 ccw(c-4966.72,2523.84) -4939.29,2496.4 -4922.97,2512.72 ccw(c-4945.29,2535.04) -4913.72,2535.04 -4913.72,2580.24 ; v1@-5468.19,957.26 ccw(c-5492.14,981.21) -5458.27,981.21 ; v1@-5468.19,957.26 ccw(c-5492.14,981.21) -5458.27,981.21 ; v1@-5468.19,957.26 ccw(c-5492.14,981.21) -5458.27,981.21 ; -5461.04,969.63 ccw(c-5451.67,964.22) v1@-5459.74,957.02 ; -5461.04,969.63 ccw(c-5451.67,964.22) v1@-5459.74,957.02 ; -5461.04,969.63 ccw(c-5451.67,964.22) v1@-5459.74,957.02
  Bottom Layer w12: v1(-5464.08,953.15) -5458.27,947.34 -5458.27,940.55 ; -5449.94,920.44 cw(c-5429.81,940.55) -5458.27,940.48 ; -5449.93,920.43 -5443.49,913.99 ccw(c-5406.05,951.43) -5406.05,898.48 -5358.96,898.48 cw(c-5358.96,861.84) -5333.06,887.76 -5325.73,880.43 ccw(c-5315,891.16) -5315,875.98 ; R105B.1@-5308.15,871.32 ccw(c-5315,868.63) -5315,875.98 ; R105B.1@-5307.87,880.53 cw(c-5315,883.85) -5315,875.98 ; R105B.1@-5283.81,868.72 cw(c-5272.76,860.73) -5269.23,873.91 ; R105B.1@-5283.16,881.45 ccw(c-5272.28,887.73) -5275.53,875.6 ; IC20B.3@-5226.16,852.64 ccw(c-5233.86,846.39) -5233.86,856.3 ; IC20B.3@-5226.16,859.96 cw(c-5233.86,866.21) -5233.86,856.3 ; IC20B.3@-5221.65,856.3 -5233.86,856.3 ; v1@-5465.1,947.43 cw(c-5466.55,939.28) -5458.27,939.28 ; v1@-5465.12,947.43 cw(c-5466.63,939.21) -5458.27,939.21 ; v1@-5465.1,947.43 cw(c-5466.55,939.28) -5458.27,939.28 ; v1@-5465.1,947.43 cw(c-5466.55,939.28) -5458.27,939.28 ; v1@-5465.12,947.43 cw(c-5466.63,939.21) -5458.27,939.21 ; v1@-5465.1,947.43 cw(c-5466.55,939.28) -5458.27,939.28 ; v1@-5465.1,947.43 cw(c-5466.55,939.28) -5458.27,939.28 ; v1@-5465.1,947.43 cw(c-5466.55,939.28) -5458.27,939.28 ; v1@-5465.12,947.43 cw(c-5466.63,939.21) -5458.27,939.21 ; -5458.27,940.48 cw(c-5429.81,940.55) -5458.27,940.55 ; -5458.27,940.48 -5458.27,940.55 ; -5315,875.98 -5276.98,875.98 cw(c-5276.98,845.07) -5255.12,866.93 -5252.01,863.82 ccw(c-5233.86,881.96) -5233.86,856.3